# Altium PCB 0020-03_FFT2G.PcbDoc (part 11 of 16)
Units mm, origin at the board's own origin, x right, y up, seen from the top; angles counter-clockwise.
Board outline 195 x 104.5 mm, 12 copper layers (Top Layer, GND1, LVDS1, PWR1, LVDS2, PWR2, LVDS3, PWR3, SIG1, SIG2, GND2, Bottom Layer), stack 1.422 mm thick; 721 components, 650 nets, 4014 pads, 3497 vias.
Unrouted connection lines stored in the file: 78.
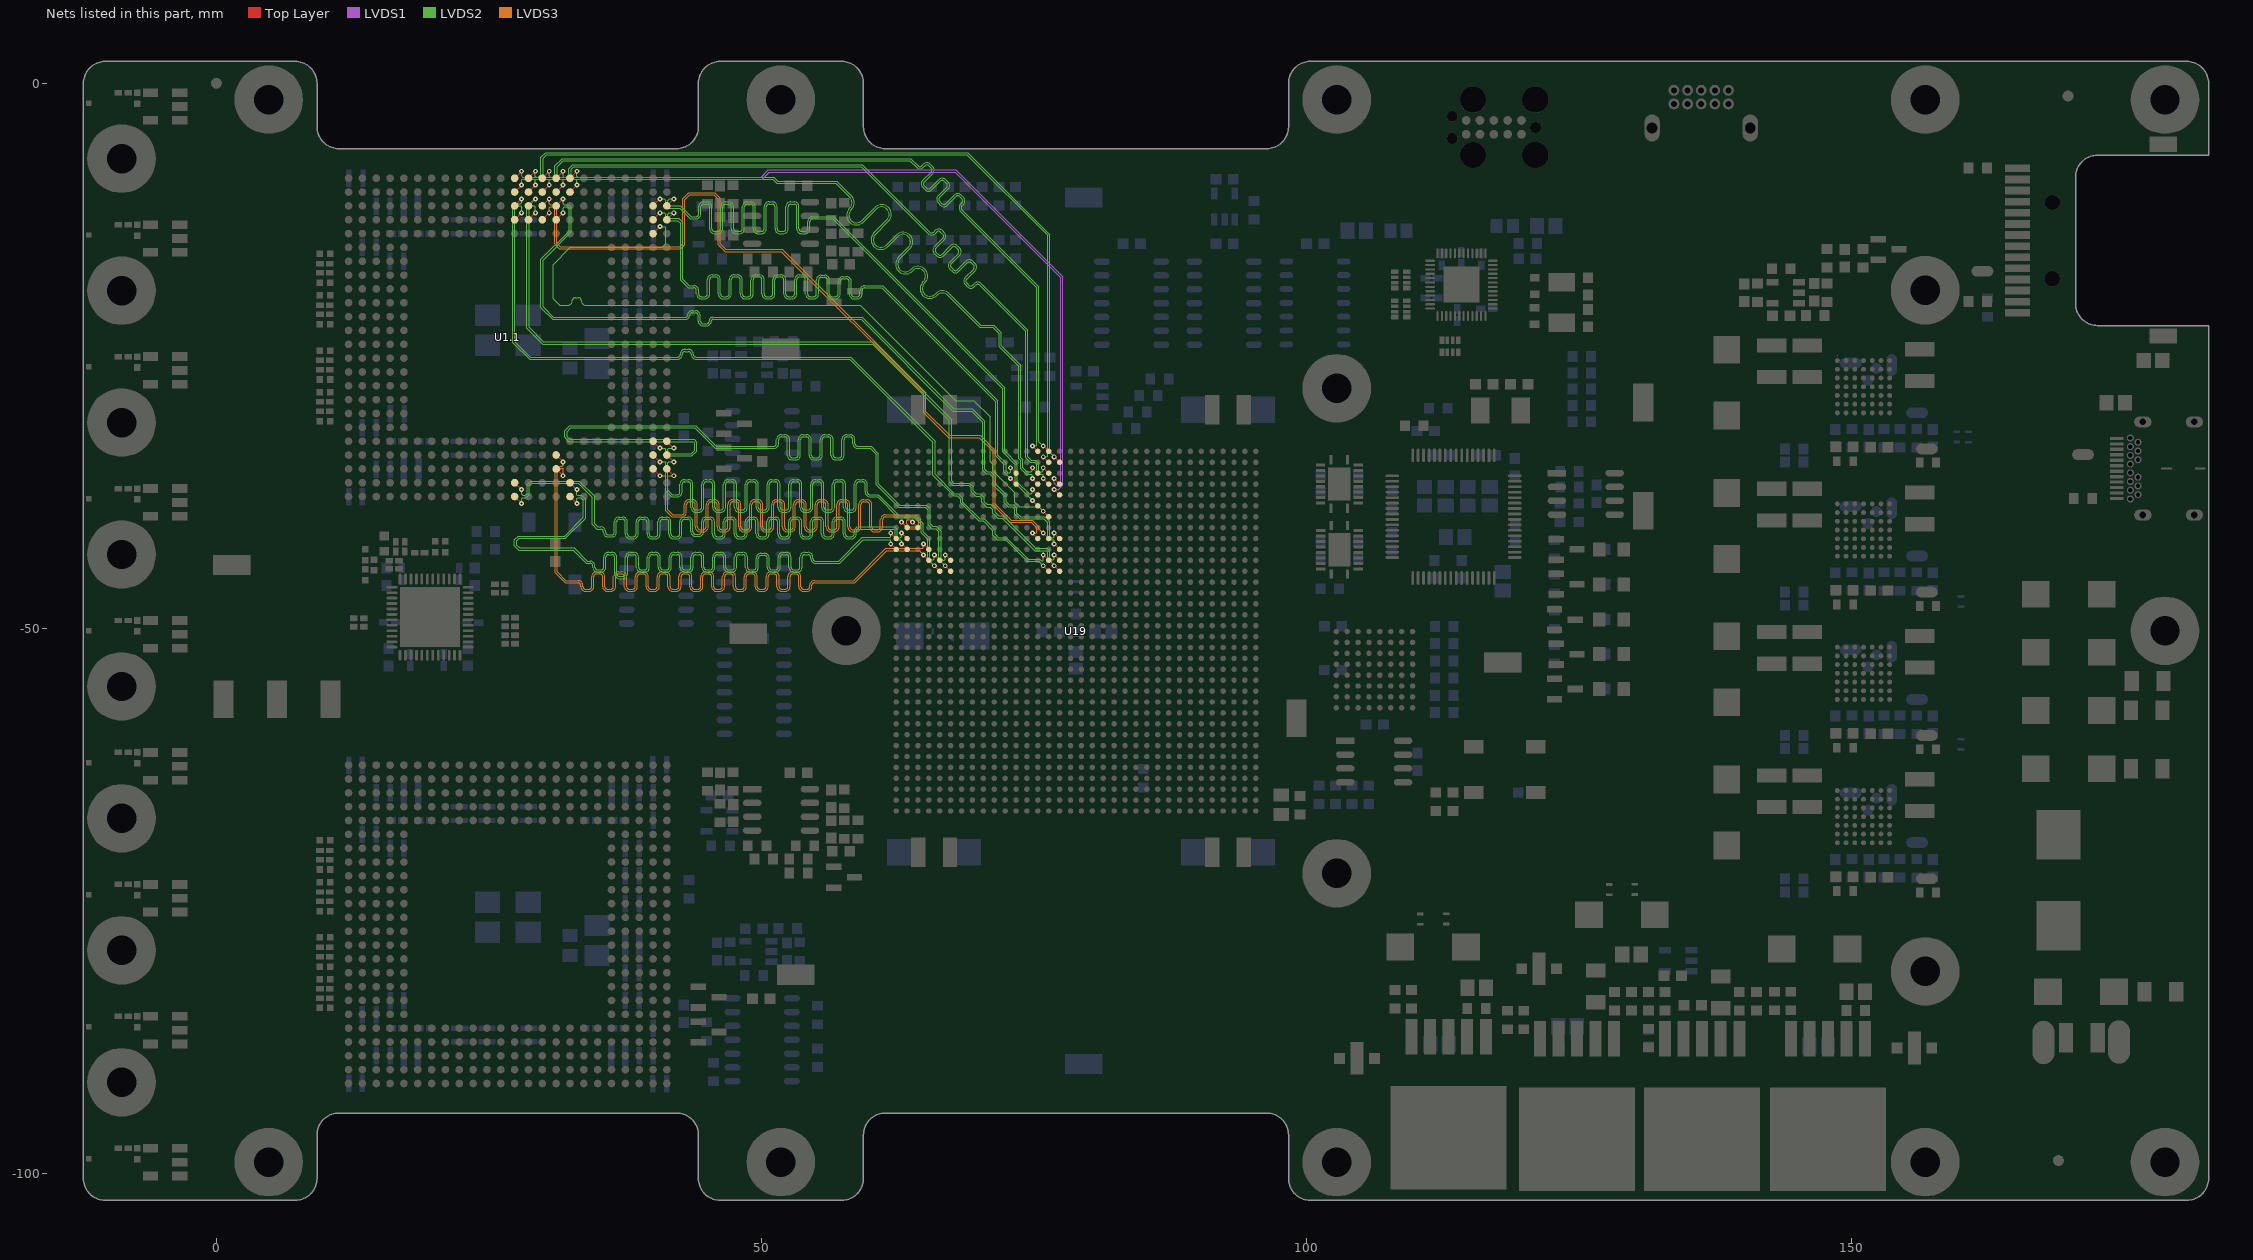
[diagram p21: the nets of this part, all layers, seen from the top]

## Via types
v1: diameter 0.45, hole 0.2, Top Layer to Bottom Layer, tented both sides, 3249 vias
v2: diameter 1, hole 0.5, Top Layer to Bottom Layer, tented both sides, 192 vias
v3: diameter 0.5, hole 0.2, Top Layer to Bottom Layer, tented both sides, 34 vias
v4: diameter 0.6, hole 0.3, Top Layer to Bottom Layer, tented both sides, 12 vias
v5: diameter 0.6, hole 0.2, Top Layer to Bottom Layer, tented both sides, 6 vias
v6: diameter 0.45/0.45/0.45/0.45/0.45/0.45/0.45 (per signal layer), hole 0.2, Top Layer to Bottom Layer, tented both sides, 4 vias

## Nets (pads, with @x,y where several pads share a name; then routed paths per layer and width w, separated by ;. In a path a pad name is that pad's centre, name@x,y a point inside that pad or via, vN(x,y) a via of type N, cw(c..) or ccw(c..) an arc to the next point about the centre after c; other vN are vias at no path point) (continued)
NB.6_N: U1.1.T4 U19.AD31 | length 74.7
  Top Layer w0.1: U1.1.T4@31.178,-34.117 v1(31.813,-34.752) ; v1(64.875,-43.28) U19.AD31@65.375,-43.78
  LVDS3 w0.1: v1(31.813,-34.752) 31.813,-35.068 31.739,-35.142 31.565,-35.142 31.085,-35.623 31.085,-44.922 31.995,-45.832 33.187,-45.832 cw(c33.187,-46.082) 33.437,-46.082 33.437,-46.182 ccw(c33.887,-46.182) 33.887,-46.632 34.187,-46.632 ccw(c34.187,-46.182) 34.637,-46.182 34.637,-45.282 cw(c34.887,-45.282) 34.887,-45.032 35.187,-45.032 cw(c35.187,-45.282) 35.437,-45.282 35.437,-46.182 ccw(c35.887,-46.182) 35.887,-46.632 36.187,-46.632 ccw(c36.187,-46.182) 36.637,-46.182 36.637,-45.282 cw(c36.887,-45.282) 36.887,-45.032 37.187,-45.032 cw(c37.187,-45.282) 37.437,-45.282 37.437,-46.182 ccw(c37.887,-46.182) 37.887,-46.632 38.187,-46.632 ccw(c38.187,-46.182) 38.637,-46.182 38.637,-45.282 cw(c38.887,-45.282) 38.887,-45.032 39.187,-45.032 cw(c39.187,-45.282) 39.437,-45.282 39.437,-46.182 ccw(c39.887,-46.182) 39.887,-46.632 40.187,-46.632 ccw(c40.187,-46.182) 40.637,-46.182 40.637,-45.282 cw(c40.887,-45.282) 40.887,-45.032 41.187,-45.032 cw(c41.187,-45.282) 41.437,-45.282 41.437,-46.182 ccw(c41.887,-46.182) 41.887,-46.632 42.187,-46.632 ccw(c42.187,-46.182) 42.637,-46.182 42.637,-45.282 cw(c42.887,-45.282) 42.887,-45.032 43.187,-45.032 cw(c43.187,-45.282) 43.437,-45.282 43.437,-46.182 ccw(c43.887,-46.182) 43.887,-46.632 44.187,-46.632 ccw(c44.187,-46.182) 44.637,-46.182 44.637,-45.282 cw(c44.887,-45.282) 44.887,-45.032 45.187,-45.032 cw(c45.187,-45.282) 45.437,-45.282 45.437,-46.182 ccw(c45.887,-46.182) 45.887,-46.632 46.187,-46.632 ccw(c46.187,-46.182) 46.637,-46.182 46.637,-45.282 cw(c46.887,-45.282) 46.887,-45.032 47.187,-45.032 cw(c47.187,-45.282) 47.437,-45.282 47.437,-46.182 ccw(c47.887,-46.182) 47.887,-46.632 48.187,-46.632 ccw(c48.187,-46.182) 48.637,-46.182 48.637,-45.282 cw(c48.887,-45.282) 48.887,-45.032 49.187,-45.032 cw(c49.187,-45.282) 49.437,-45.282 49.437,-46.182 ccw(c49.887,-46.182) 49.887,-46.632 50.187,-46.632 ccw(c50.187,-46.182) 50.637,-46.182 50.637,-45.282 cw(c50.887,-45.282) 50.887,-45.032 51.187,-45.032 cw(c51.187,-45.282) 51.437,-45.282 51.437,-46.182 ccw(c51.887,-46.182) 51.887,-46.632 52.187,-46.632 ccw(c52.187,-46.182) 52.637,-46.182 52.637,-45.282 cw(c52.887,-45.282) 52.887,-45.032 53.187,-45.032 cw(c53.187,-45.282) 53.437,-45.282 53.437,-46.182 ccw(c53.887,-46.182) 53.887,-46.632 54.187,-46.632 ccw(c54.187,-46.182) 54.637,-46.182 54.637,-46.082 cw(c54.887,-46.082) 54.887,-45.832 58.568,-45.832 61.52,-42.88 64.475,-42.88 v1(64.875,-43.28)
NB.6_P: U1.1.T3 U19.AE31 | length 74.6
  Top Layer w0.1: U1.1.T3@31.178,-35.387 v1(31.813,-36.022) ; v1(64.875,-42.28) U19.AE31@65.375,-42.78
  LVDS3 w0.1: v1(31.813,-36.022) 31.813,-35.388 31.767,-35.342 31.648,-35.342 31.285,-35.705 31.285,-44.839 32.078,-45.632 33.187,-45.632 cw(c33.187,-46.082) 33.637,-46.082 33.637,-46.182 ccw(c33.887,-46.182) 33.887,-46.432 34.187,-46.432 ccw(c34.187,-46.182) 34.437,-46.182 34.437,-45.282 cw(c34.887,-45.282) 34.887,-44.832 35.187,-44.832 cw(c35.187,-45.282) 35.637,-45.282 35.637,-46.182 ccw(c35.887,-46.182) 35.887,-46.432 36.187,-46.432 ccw(c36.187,-46.182) 36.437,-46.182 36.437,-45.282 cw(c36.887,-45.282) 36.887,-44.832 37.187,-44.832 cw(c37.187,-45.282) 37.637,-45.282 37.637,-46.182 ccw(c37.887,-46.182) 37.887,-46.432 38.187,-46.432 ccw(c38.187,-46.182) 38.437,-46.182 38.437,-45.282 cw(c38.887,-45.282) 38.887,-44.832 39.187,-44.832 cw(c39.187,-45.282) 39.637,-45.282 39.637,-46.182 ccw(c39.887,-46.182) 39.887,-46.432 40.187,-46.432 ccw(c40.187,-46.182) 40.437,-46.182 40.437,-45.282 cw(c40.887,-45.282) 40.887,-44.832 41.187,-44.832 cw(c41.187,-45.282) 41.637,-45.282 41.637,-46.182 ccw(c41.887,-46.182) 41.887,-46.432 42.187,-46.432 ccw(c42.187,-46.182) 42.437,-46.182 42.437,-45.282 cw(c42.887,-45.282) 42.887,-44.832 43.187,-44.832 cw(c43.187,-45.282) 43.637,-45.282 43.637,-46.182 ccw(c43.887,-46.182) 43.887,-46.432 44.187,-46.432 ccw(c44.187,-46.182) 44.437,-46.182 44.437,-45.282 cw(c44.887,-45.282) 44.887,-44.832 45.187,-44.832 cw(c45.187,-45.282) 45.637,-45.282 45.637,-46.182 ccw(c45.887,-46.182) 45.887,-46.432 46.187,-46.432 ccw(c46.187,-46.182) 46.437,-46.182 46.437,-45.282 cw(c46.887,-45.282) 46.887,-44.832 47.187,-44.832 cw(c47.187,-45.282) 47.637,-45.282 47.637,-46.182 ccw(c47.887,-46.182) 47.887,-46.432 48.187,-46.432 ccw(c48.187,-46.182) 48.437,-46.182 48.437,-45.282 cw(c48.887,-45.282) 48.887,-44.832 49.187,-44.832 cw(c49.187,-45.282) 49.637,-45.282 49.637,-46.182 ccw(c49.887,-46.182) 49.887,-46.432 50.187,-46.432 ccw(c50.187,-46.182) 50.437,-46.182 50.437,-45.282 cw(c50.887,-45.282) 50.887,-44.832 51.187,-44.832 cw(c51.187,-45.282) 51.637,-45.282 51.637,-46.182 ccw(c51.887,-46.182) 51.887,-46.432 52.187,-46.432 ccw(c52.187,-46.182) 52.437,-46.182 52.437,-45.282 cw(c52.887,-45.282) 52.887,-44.832 53.187,-44.832 cw(c53.187,-45.282) 53.637,-45.282 53.637,-46.182 ccw(c53.887,-46.182) 53.887,-46.432 54.187,-46.432 ccw(c54.187,-46.182) 54.437,-46.182 54.437,-46.082 cw(c54.887,-46.082) 54.887,-45.632 58.485,-45.632 61.438,-42.68 64.817,-42.68 64.875,-42.621 v1(64.875,-42.28)
NB.7_N: U1.1.U2 U19.AF34 | length 75.3
  Top Layer w0.1: U1.1.U2@32.448,-36.657 v1(33.083,-37.292) ; v1(61.875,-41.28) U19.AF34@62.375,-41.78
  LVDS2 w0.1: v1(33.083,-37.292) 33.083,-37.771 33.139,-37.827 33.539,-37.827 33.88,-38.168 33.88,-39.895 32.144,-41.632 32.026,-41.749 27.775,-41.749 27.55,-41.975 27.55,-42.375 27.814,-42.639 32.815,-42.639 34.031,-43.854 34.29,-43.854 cw(c34.29,-44.304) 34.74,-44.304 34.74,-44.404 ccw(c34.99,-44.404) 34.99,-44.654 35.29,-44.654 ccw(c35.29,-44.404) 35.54,-44.404 35.54,-43.504 cw(c35.99,-43.504) 35.99,-43.054 36.29,-43.054 cw(c36.29,-43.504) 36.74,-43.504 36.74,-45.005 ccw(c36.99,-45.005) 36.99,-45.255 37.29,-45.255 ccw(c37.29,-45.005) 37.54,-45.005 37.54,-43.504 cw(c37.99,-43.504) 37.99,-43.054 38.29,-43.054 cw(c38.29,-43.504) 38.74,-43.504 38.74,-44.404 ccw(c38.99,-44.404) 38.99,-44.654 39.29,-44.654 ccw(c39.29,-44.404) 39.54,-44.404 39.54,-43.504 cw(c39.99,-43.504) 39.99,-43.054 40.29,-43.054 cw(c40.29,-43.504) 40.74,-43.504 40.74,-44.404 ccw(c40.99,-44.404) 40.99,-44.654 41.29,-44.654 ccw(c41.29,-44.404) 41.54,-44.404 41.54,-43.504 cw(c41.99,-43.504) 41.99,-43.054 42.29,-43.054 cw(c42.29,-43.504) 42.74,-43.504 42.74,-44.404 ccw(c42.99,-44.404) 42.99,-44.654 43.29,-44.654 ccw(c43.29,-44.404) 43.54,-44.404 43.54,-43.504 cw(c43.99,-43.504) 43.99,-43.054 44.29,-43.054 cw(c44.29,-43.504) 44.74,-43.504 44.74,-44.404 ccw(c44.99,-44.404) 44.99,-44.654 45.29,-44.654 ccw(c45.29,-44.404) 45.54,-44.404 45.54,-43.504 cw(c45.99,-43.504) 45.99,-43.054 46.29,-43.054 cw(c46.29,-43.504) 46.74,-43.504 46.74,-44.404 ccw(c46.99,-44.404) 46.99,-44.654 47.29,-44.654 ccw(c47.29,-44.404) 47.54,-44.404 47.54,-43.504 cw(c47.99,-43.504) 47.99,-43.054 48.29,-43.054 cw(c48.29,-43.504) 48.74,-43.504 48.74,-44.404 ccw(c48.99,-44.404) 48.99,-44.654 49.29,-44.654 ccw(c49.29,-44.404) 49.54,-44.404 49.54,-43.583 cw(c49.99,-43.583) 49.99,-43.133 50.29,-43.133 cw(c50.29,-43.583) 50.74,-43.583 50.74,-44.404 ccw(c50.99,-44.404) 50.99,-44.654 51.29,-44.654 ccw(c51.29,-44.404) 51.54,-44.404 51.54,-43.504 cw(c51.99,-43.504) 51.99,-43.054 52.29,-43.054 cw(c52.29,-43.504) 52.74,-43.504 52.74,-44.404 ccw(c52.99,-44.404) 52.99,-44.654 53.29,-44.654 ccw(c53.29,-44.404) 53.54,-44.404 53.54,-43.504 cw(c53.99,-43.504) 53.99,-43.054 54.29,-43.054 cw(c54.29,-43.504) 54.74,-43.504 54.74,-43.604 ccw(c54.99,-43.604) 54.99,-43.854 57.095,-43.854 59.27,-41.68 61.817,-41.68 61.875,-41.621 v1(61.875,-41.28)
NB.7_P: U1.1.U1 U19.AE34 | length 75.3
  Top Layer w0.1: U1.1.U1@32.448,-37.927 v1(33.083,-38.562) ; v1(61.875,-42.28) U19.AE34@62.375,-42.78
  LVDS2 w0.1: v1(33.083,-38.562) 33.083,-38.085 33.142,-38.027 33.456,-38.027 33.68,-38.251 33.68,-39.813 31.944,-41.549 27.693,-41.549 27.35,-41.892 27.35,-42.458 27.731,-42.839 32.732,-42.839 33.948,-44.054 34.29,-44.054 cw(c34.29,-44.304) 34.54,-44.304 34.54,-44.404 ccw(c34.99,-44.404) 34.99,-44.854 35.29,-44.854 ccw(c35.29,-44.404) 35.74,-44.404 35.74,-43.504 cw(c35.99,-43.504) 35.99,-43.254 36.29,-43.254 cw(c36.29,-43.504) 36.54,-43.504 36.54,-45.005 ccw(c36.99,-45.005) 36.99,-45.455 37.29,-45.455 ccw(c37.29,-45.005) 37.74,-45.005 37.74,-43.504 cw(c37.99,-43.504) 37.99,-43.254 38.29,-43.254 cw(c38.29,-43.504) 38.54,-43.504 38.54,-44.404 ccw(c38.99,-44.404) 38.99,-44.854 39.29,-44.854 ccw(c39.29,-44.404) 39.74,-44.404 39.74,-43.504 cw(c39.99,-43.504) 39.99,-43.254 40.29,-43.254 cw(c40.29,-43.504) 40.54,-43.504 40.54,-44.404 ccw(c40.99,-44.404) 40.99,-44.854 41.29,-44.854 ccw(c41.29,-44.404) 41.74,-44.404 41.74,-43.504 cw(c41.99,-43.504) 41.99,-43.254 42.29,-43.254 cw(c42.29,-43.504) 42.54,-43.504 42.54,-44.404 ccw(c42.99,-44.404) 42.99,-44.854 43.29,-44.854 ccw(c43.29,-44.404) 43.74,-44.404 43.74,-43.504 cw(c43.99,-43.504) 43.99,-43.254 44.29,-43.254 cw(c44.29,-43.504) 44.54,-43.504 44.54,-44.404 ccw(c44.99,-44.404) 44.99,-44.854 45.29,-44.854 ccw(c45.29,-44.404) 45.74,-44.404 45.74,-43.504 cw(c45.99,-43.504) 45.99,-43.254 46.29,-43.254 cw(c46.29,-43.504) 46.54,-43.504 46.54,-44.404 ccw(c46.99,-44.404) 46.99,-44.854 47.29,-44.854 ccw(c47.29,-44.404) 47.74,-44.404 47.74,-43.504 cw(c47.99,-43.504) 47.99,-43.254 48.29,-43.254 cw(c48.29,-43.504) 48.54,-43.504 48.54,-44.404 ccw(c48.99,-44.404) 48.99,-44.854 49.29,-44.854 ccw(c49.29,-44.404) 49.74,-44.404 49.74,-43.583 cw(c49.99,-43.583) 49.99,-43.333 50.29,-43.333 cw(c50.29,-43.583) 50.54,-43.583 50.54,-44.404 ccw(c50.99,-44.404) 50.99,-44.854 51.29,-44.854 ccw(c51.29,-44.404) 51.74,-44.404 51.74,-43.504 cw(c51.99,-43.504) 51.99,-43.254 52.29,-43.254 cw(c52.29,-43.504) 52.54,-43.504 52.54,-44.404 ccw(c52.99,-44.404) 52.99,-44.854 53.29,-44.854 ccw(c53.29,-44.404) 53.74,-44.404 53.74,-43.504 cw(c53.99,-43.504) 53.99,-43.254 54.29,-43.254 cw(c54.29,-43.504) 54.54,-43.504 54.54,-43.604 ccw(c54.99,-43.604) 54.99,-44.054 57.178,-44.054 59.353,-41.88 61.817,-41.88 61.875,-41.938 v1(61.875,-42.28)
NB.8_N: U1.1.AC3 U19.AG32 | length 75
  Top Layer w0.1: U1.1.AC3@40.068,-35.387 v1(40.703,-36.022) ; v1(63.875,-40.28) U19.AG32@64.375,-40.78
  LVDS3 w0.1: v1(40.703,-36.022) 41.18,-36.022 41.238,-36.08 41.238,-39.229 41.798,-39.789 42.687,-39.789 ccw(c42.687,-39.339) 43.137,-39.339 43.137,-38.67 cw(c43.387,-38.67) 43.387,-38.42 43.687,-38.42 cw(c43.687,-38.67) 43.937,-38.67 43.937,-40.707 ccw(c44.387,-40.707) 44.387,-41.157 44.687,-41.157 ccw(c44.687,-40.707) 45.137,-40.707 45.137,-38.67 cw(c45.387,-38.67) 45.387,-38.42 45.687,-38.42 cw(c45.687,-38.67) 45.937,-38.67 45.937,-40.707 ccw(c46.387,-40.707) 46.387,-41.157 46.687,-41.157 ccw(c46.687,-40.707) 47.137,-40.707 47.137,-38.67 cw(c47.387,-38.67) 47.387,-38.42 47.687,-38.42 cw(c47.687,-38.67) 47.937,-38.67 47.937,-40.707 ccw(c48.387,-40.707) 48.387,-41.157 48.687,-41.157 ccw(c48.687,-40.707) 49.137,-40.707 49.137,-38.67 cw(c49.387,-38.67) 49.387,-38.42 49.687,-38.42 cw(c49.687,-38.67) 49.937,-38.67 49.937,-40.707 ccw(c50.387,-40.707) 50.387,-41.157 50.687,-41.157 ccw(c50.687,-40.707) 51.137,-40.707 51.137,-38.67 cw(c51.387,-38.67) 51.387,-38.42 51.687,-38.42 cw(c51.687,-38.67) 51.937,-38.67 51.937,-40.707 ccw(c52.387,-40.707) 52.387,-41.157 52.687,-41.157 ccw(c52.687,-40.707) 53.137,-40.707 53.137,-38.67 cw(c53.387,-38.67) 53.387,-38.42 53.687,-38.42 cw(c53.687,-38.67) 53.937,-38.67 53.937,-40.707 ccw(c54.387,-40.707) 54.387,-41.157 54.687,-41.157 ccw(c54.687,-40.707) 55.137,-40.707 55.137,-38.67 cw(c55.387,-38.67) 55.387,-38.42 55.687,-38.42 cw(c55.687,-38.67) 55.937,-38.67 55.937,-40.707 ccw(c56.387,-40.707) 56.387,-41.157 56.687,-41.157 ccw(c56.687,-40.707) 57.137,-40.707 57.137,-38.67 cw(c57.387,-38.67) 57.387,-38.42 57.687,-38.42 cw(c57.687,-38.67) 57.937,-38.67 57.937,-40.707 ccw(c58.387,-40.707) 58.387,-41.157 58.687,-41.157 ccw(c58.687,-40.707) 59.137,-40.707 59.137,-38.67 cw(c59.387,-38.67) 59.387,-38.42 59.687,-38.42 cw(c59.687,-38.67) 59.937,-38.67 59.937,-40.707 ccw(c60.387,-40.707) 60.387,-41.157 60.687,-41.157 ccw(c60.687,-40.707) 61.137,-40.707 61.137,-40.039 cw(c61.387,-40.039) 61.387,-39.789 64.125,-39.789 64.447,-40.111 64.447,-40.454 64.213,-40.689 63.598,-40.689 63.339,-40.43 63.339,-40.168 63.441,-40.067 63.662,-40.067 v1(63.875,-40.28)
NB.8_P: U1.1.AD3 U19.AG33 | length 75
  Top Layer w0.1: U1.1.AD3@41.338,-35.387 v1(41.973,-36.022) ; v1(62.875,-40.28) U19.AG33@63.375,-40.78
  LVDS3 w0.1: v1(41.973,-36.022) 41.497,-36.022 41.438,-36.08 41.438,-39.146 41.881,-39.589 42.687,-39.589 ccw(c42.687,-39.339) 42.937,-39.339 42.937,-38.67 cw(c43.387,-38.67) 43.387,-38.22 43.687,-38.22 cw(c43.687,-38.67) 44.137,-38.67 44.137,-40.707 ccw(c44.387,-40.707) 44.387,-40.957 44.687,-40.957 ccw(c44.687,-40.707) 44.937,-40.707 44.937,-38.67 cw(c45.387,-38.67) 45.387,-38.22 45.687,-38.22 cw(c45.687,-38.67) 46.137,-38.67 46.137,-40.707 ccw(c46.387,-40.707) 46.387,-40.957 46.687,-40.957 ccw(c46.687,-40.707) 46.937,-40.707 46.937,-38.67 cw(c47.387,-38.67) 47.387,-38.22 47.687,-38.22 cw(c47.687,-38.67) 48.137,-38.67 48.137,-40.707 ccw(c48.387,-40.707) 48.387,-40.957 48.687,-40.957 ccw(c48.687,-40.707) 48.937,-40.707 48.937,-38.67 cw(c49.387,-38.67) 49.387,-38.22 49.687,-38.22 cw(c49.687,-38.67) 50.137,-38.67 50.137,-40.707 ccw(c50.387,-40.707) 50.387,-40.957 50.687,-40.957 ccw(c50.687,-40.707) 50.937,-40.707 50.937,-38.67 cw(c51.387,-38.67) 51.387,-38.22 51.687,-38.22 cw(c51.687,-38.67) 52.137,-38.67 52.137,-40.707 ccw(c52.387,-40.707) 52.387,-40.957 52.687,-40.957 ccw(c52.687,-40.707) 52.937,-40.707 52.937,-38.67 cw(c53.387,-38.67) 53.387,-38.22 53.687,-38.22 cw(c53.687,-38.67) 54.137,-38.67 54.137,-40.707 ccw(c54.387,-40.707) 54.387,-40.957 54.687,-40.957 ccw(c54.687,-40.707) 54.937,-40.707 54.937,-38.67 cw(c55.387,-38.67) 55.387,-38.22 55.687,-38.22 cw(c55.687,-38.67) 56.137,-38.67 56.137,-40.707 ccw(c56.387,-40.707) 56.387,-40.957 56.687,-40.957 ccw(c56.687,-40.707) 56.937,-40.707 56.937,-38.67 cw(c57.387,-38.67) 57.387,-38.22 57.687,-38.22 cw(c57.687,-38.67) 58.137,-38.67 58.137,-40.707 ccw(c58.387,-40.707) 58.387,-40.957 58.687,-40.957 ccw(c58.687,-40.707) 58.937,-40.707 58.937,-38.67 cw(c59.387,-38.67) 59.387,-38.22 59.687,-38.22 cw(c59.687,-38.67) 60.137,-38.67 60.137,-40.707 ccw(c60.387,-40.707) 60.387,-40.957 60.687,-40.957 ccw(c60.687,-40.707) 60.937,-40.707 60.937,-40.039 cw(c61.387,-40.039) 61.387,-39.589 64.208,-39.589 64.647,-40.028 64.647,-40.537 64.295,-40.889 63.484,-40.889 v1(62.875,-40.28)
NB.9_N: U1.1.AC4 U19.AC30 | length 75.7
  Top Layer w0.1: U1.1.AC4@40.068,-34.117 v1(40.703,-34.752) ; v1(65.875,-44.28) U19.AC30@66.375,-44.78
  LVDS2 w0.1: v1(40.703,-34.752) 41.18,-34.752 41.238,-34.81 41.238,-37.431 41.766,-37.958 42.28,-37.958 ccw(c42.28,-37.508) 42.73,-37.508 42.73,-36.817 cw(c42.98,-36.817) 42.98,-36.567 43.28,-36.567 cw(c43.28,-36.817) 43.53,-36.817 43.53,-38.9 ccw(c43.98,-38.9) 43.98,-39.35 44.28,-39.35 ccw(c44.28,-38.9) 44.73,-38.9 44.73,-36.817 cw(c44.98,-36.817) 44.98,-36.567 45.28,-36.567 cw(c45.28,-36.817) 45.53,-36.817 45.53,-38.9 ccw(c45.98,-38.9) 45.98,-39.35 46.28,-39.35 ccw(c46.28,-38.9) 46.73,-38.9 46.73,-36.817 cw(c46.98,-36.817) 46.98,-36.567 47.28,-36.567 cw(c47.28,-36.817) 47.53,-36.817 47.53,-38.9 ccw(c47.98,-38.9) 47.98,-39.35 48.28,-39.35 ccw(c48.28,-38.9) 48.73,-38.9 48.73,-36.817 cw(c48.98,-36.817) 48.98,-36.567 49.28,-36.567 cw(c49.28,-36.817) 49.53,-36.817 49.53,-38.9 ccw(c49.98,-38.9) 49.98,-39.35 50.28,-39.35 ccw(c50.28,-38.9) 50.73,-38.9 50.73,-36.817 cw(c50.98,-36.817) 50.98,-36.567 51.28,-36.567 cw(c51.28,-36.817) 51.53,-36.817 51.53,-38.9 ccw(c51.98,-38.9) 51.98,-39.35 52.28,-39.35 ccw(c52.28,-38.9) 52.73,-38.9 52.73,-36.817 cw(c52.98,-36.817) 52.98,-36.567 53.28,-36.567 cw(c53.28,-36.817) 53.53,-36.817 53.53,-38.9 ccw(c53.98,-38.9) 53.98,-39.35 54.28,-39.35 ccw(c54.28,-38.9) 54.73,-38.9 54.73,-36.817 cw(c54.98,-36.817) 54.98,-36.567 55.28,-36.567 cw(c55.28,-36.817) 55.53,-36.817 55.53,-38.9 ccw(c55.98,-38.9) 55.98,-39.35 56.28,-39.35 ccw(c56.28,-38.9) 56.73,-38.9 56.73,-36.817 cw(c56.98,-36.817) 56.98,-36.567 57.28,-36.567 cw(c57.28,-36.817) 57.53,-36.817 57.53,-38.9 ccw(c57.98,-38.9) 57.98,-39.35 58.28,-39.35 ccw(c58.28,-38.9) 58.73,-38.9 58.73,-36.817 cw(c58.98,-36.817) 58.98,-36.567 59.28,-36.567 cw(c59.28,-36.817) 59.53,-36.817 59.53,-37.508 ccw(c59.98,-37.508) 59.98,-37.958 60.667,-37.958 62.582,-39.874 64.052,-39.874 64.668,-40.49 64.668,-41.248 65.273,-41.854 65.273,-43.678 65.461,-43.866 v1(65.875,-44.28)
NB.9_P: U1.1.AD4 U19.AD30 | length 75.6
  Top Layer w0.1: U1.1.AD4@41.338,-34.117 v1(41.973,-34.752) ; v1(65.875,-43.28) U19.AD30@66.375,-43.78
  LVDS2 w0.1: v1(41.973,-34.752) 41.497,-34.752 41.438,-34.81 41.438,-37.348 41.849,-37.758 42.28,-37.758 ccw(c42.28,-37.508) 42.53,-37.508 42.53,-36.817 cw(c42.98,-36.817) 42.98,-36.367 43.28,-36.367 cw(c43.28,-36.817) 43.73,-36.817 43.73,-38.9 ccw(c43.98,-38.9) 43.98,-39.15 44.28,-39.15 ccw(c44.28,-38.9) 44.53,-38.9 44.53,-36.817 cw(c44.98,-36.817) 44.98,-36.367 45.28,-36.367 cw(c45.28,-36.817) 45.73,-36.817 45.73,-38.9 ccw(c45.98,-38.9) 45.98,-39.15 46.28,-39.15 ccw(c46.28,-38.9) 46.53,-38.9 46.53,-36.817 cw(c46.98,-36.817) 46.98,-36.367 47.28,-36.367 cw(c47.28,-36.817) 47.73,-36.817 47.73,-38.9 ccw(c47.98,-38.9) 47.98,-39.15 48.28,-39.15 ccw(c48.28,-38.9) 48.53,-38.9 48.53,-36.817 cw(c48.98,-36.817) 48.98,-36.367 49.28,-36.367 cw(c49.28,-36.817) 49.73,-36.817 49.73,-38.9 ccw(c49.98,-38.9) 49.98,-39.15 50.28,-39.15 ccw(c50.28,-38.9) 50.53,-38.9 50.53,-36.817 cw(c50.98,-36.817) 50.98,-36.367 51.28,-36.367 cw(c51.28,-36.817) 51.73,-36.817 51.73,-38.9 ccw(c51.98,-38.9) 51.98,-39.15 52.28,-39.15 ccw(c52.28,-38.9) 52.53,-38.9 52.53,-36.817 cw(c52.98,-36.817) 52.98,-36.367 53.28,-36.367 cw(c53.28,-36.817) 53.73,-36.817 53.73,-38.9 ccw(c53.98,-38.9) 53.98,-39.15 54.28,-39.15 ccw(c54.28,-38.9) 54.53,-38.9 54.53,-36.817 cw(c54.98,-36.817) 54.98,-36.367 55.28,-36.367 cw(c55.28,-36.817) 55.73,-36.817 55.73,-38.9 ccw(c55.98,-38.9) 55.98,-39.15 56.28,-39.15 ccw(c56.28,-38.9) 56.53,-38.9 56.53,-36.817 cw(c56.98,-36.817) 56.98,-36.367 57.28,-36.367 cw(c57.28,-36.817) 57.73,-36.817 57.73,-38.9 ccw(c57.98,-38.9) 57.98,-39.15 58.28,-39.15 ccw(c58.28,-38.9) 58.53,-38.9 58.53,-36.817 cw(c58.98,-36.817) 58.98,-36.367 59.28,-36.367 cw(c59.28,-36.817) 59.73,-36.817 59.73,-37.508 ccw(c59.98,-37.508) 59.98,-37.758 60.75,-37.758 62.665,-39.674 64.135,-39.674 64.868,-40.407 64.868,-41.166 65.473,-41.771 65.473,-43.595 65.603,-43.724 65.788,-43.724 65.875,-43.637 v1(65.875,-43.28)
NB.DR_N: U1.1.N2 U19.AF33 | length 75.7
  Top Layer w0.1: U1.1.N2@27.368,-36.657 v1(28.003,-37.292) ; v1(62.875,-41.28) U19.AF33@63.375,-41.78
  LVDS2 w0.1: v1(28.003,-37.292) 28.003,-37.72 28.11,-37.827 28.348,-37.827 28.516,-37.659 28.516,-36.845 28.858,-36.503 33.304,-36.503 34.704,-37.903 34.704,-40.404 35.005,-40.705 35.263,-40.705 cw(c35.263,-41.155) 35.713,-41.155 35.713,-41.186 ccw(c35.963,-41.186) 35.963,-41.436 36.263,-41.436 ccw(c36.263,-41.186) 36.513,-41.186 36.513,-40.255 cw(c36.963,-40.255) 36.963,-39.805 37.263,-39.805 cw(c37.263,-40.255) 37.713,-40.255 37.713,-41.354 ccw(c37.963,-41.354) 37.963,-41.604 38.263,-41.604 ccw(c38.263,-41.354) 38.513,-41.354 38.513,-40.255 cw(c38.963,-40.255) 38.963,-39.805 39.263,-39.805 cw(c39.263,-40.255) 39.713,-40.255 39.713,-41.354 ccw(c39.963,-41.354) 39.963,-41.604 40.263,-41.604 ccw(c40.263,-41.354) 40.513,-41.354 40.513,-40.255 cw(c40.963,-40.255) 40.963,-39.805 41.263,-39.805 cw(c41.263,-40.255) 41.713,-40.255 41.713,-41.354 ccw(c41.963,-41.354) 41.963,-41.604 42.263,-41.604 ccw(c42.263,-41.354) 42.513,-41.354 42.513,-40.255 cw(c42.963,-40.255) 42.963,-39.805 43.263,-39.805 cw(c43.263,-40.255) 43.713,-40.255 43.713,-41.128 ccw(c43.963,-41.128) 43.963,-41.378 44.263,-41.378 ccw(c44.263,-41.128) 44.513,-41.128 44.513,-40.255 cw(c44.963,-40.255) 44.963,-39.805 45.263,-39.805 cw(c45.263,-40.255) 45.713,-40.255 45.713,-41.354 ccw(c45.963,-41.354) 45.963,-41.604 46.263,-41.604 ccw(c46.263,-41.354) 46.513,-41.354 46.513,-40.255 cw(c46.963,-40.255) 46.963,-39.805 47.263,-39.805 cw(c47.263,-40.255) 47.713,-40.255 47.713,-41.354 ccw(c47.963,-41.354) 47.963,-41.604 48.263,-41.604 ccw(c48.263,-41.354) 48.513,-41.354 48.513,-40.255 cw(c48.963,-40.255) 48.963,-39.805 49.263,-39.805 cw(c49.263,-40.255) 49.713,-40.255 49.713,-41.354 ccw(c49.963,-41.354) 49.963,-41.604 50.263,-41.604 ccw(c50.263,-41.354) 50.513,-41.354 50.513,-40.255 cw(c50.963,-40.255) 50.963,-39.805 51.263,-39.805 cw(c51.263,-40.255) 51.713,-40.255 51.713,-41.354 ccw(c51.963,-41.354) 51.963,-41.604 52.263,-41.604 ccw(c52.263,-41.354) 52.513,-41.354 52.513,-40.255 cw(c52.963,-40.255) 52.963,-39.805 53.263,-39.805 cw(c53.263,-40.255) 53.713,-40.255 53.713,-41.354 ccw(c53.963,-41.354) 53.963,-41.604 54.263,-41.604 ccw(c54.263,-41.354) 54.513,-41.354 54.513,-40.255 cw(c54.963,-40.255) 54.963,-39.805 55.263,-39.805 cw(c55.263,-40.255) 55.713,-40.255 55.713,-41.354 ccw(c55.963,-41.354) 55.963,-41.604 56.263,-41.604 ccw(c56.263,-41.354) 56.513,-41.354 56.513,-40.255 cw(c56.963,-40.255) 56.963,-39.805 57.263,-39.805 cw(c57.263,-40.255) 57.713,-40.255 57.713,-41.354 ccw(c57.963,-41.354) 57.963,-41.604 58.263,-41.604 ccw(c58.263,-41.354) 58.513,-41.354 58.513,-41.155 cw(c58.963,-41.155) 58.963,-40.705 62.247,-40.705 62.473,-40.931 62.473,-41.589 62.573,-41.689 62.748,-41.689 62.875,-41.562 v1(62.875,-41.28)